# Altium PCB BMS_Slave-X+Y.PcbDoc (part 1 of 3) (continued)
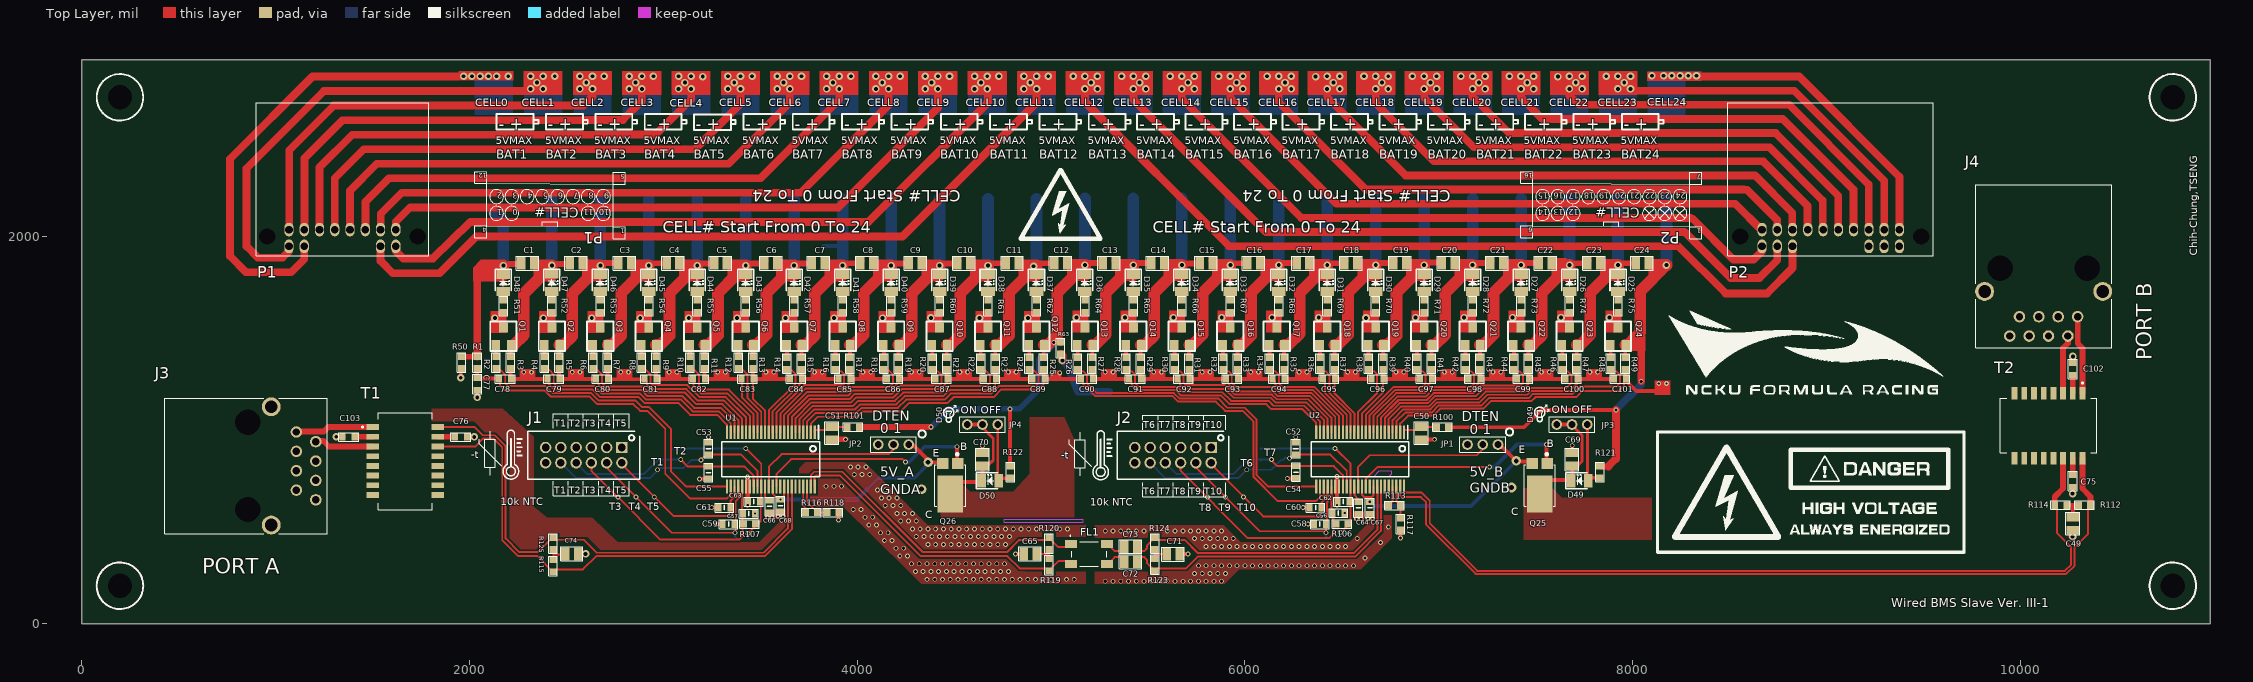
[diagram p0: Top Layer view]
## Components (designator, comment, footprint, x,y, rotation, side; value= is the part's Value field where it differs from the comment) (continued)
J2 "87831-1220" SHDR12W55P200_2X6_1465X630X640P 5826.22,910 r180 top (schematic designator J1)
J3 "5406298-1" 54062981 1107,990 r270 top
J4 "5406298-1" 54062981 10296,1584.92 r180 top
JP1 "2355045-3" 23550453 7306.11,925 r180 top
JP2 "2355045-3" 23550453 4266.11,925 r180 top
JP3 "2355045-3" 23550453 7766.4,1028.66 r180 top
JP4 "2355045-3" 23550453 4725.26,1028.66 r180 top
P1 "Molex 12ckt Connector" 34826-0125 1344.37,1998.66 r180 top
P2 "Molex 16ckt Connector" 34826-0160 9022.28,1998.66 r180 top
Q1 "BSS308PE_H6327" SOT95P260X110-3N 2175,1483.66 r90 top
Q2 "BSS308PE_H6327" SOT95P260X110-3N 2425.24,1483.9 r90 top
Q3 "BSS308PE_H6327" SOT95P260X110-3N 2675,1483.66 r90 top
Q4 "BSS308PE_H6327" SOT95P260X110-3N 2925,1483.66 r90 top
Q5 "BSS308PE_H6327" SOT95P260X110-3N 3175,1483.66 r90 top
Q6 "BSS308PE_H6327" SOT95P260X110-3N 3425,1483.66 r90 top
Q7 "BSS308PE_H6327" SOT95P260X110-3N 3675,1483.66 r90 top
Q8 "BSS308PE_H6327" SOT95P260X110-3N 3925,1483.66 r90 top
Q9 "BSS308PE_H6327" SOT95P260X110-3N 4175,1483.66 r90 top
Q10 "BSS308PE_H6327" SOT95P260X110-3N 4425,1483.66 r90 top
Q11 "BSS308PE_H6327" SOT95P260X110-3N 4675,1483.66 r90 top
Q12 "BSS308PE_H6327" SOT95P260X110-3N 4925,1483.66 r90 top
Q13 "BSS308PE_H6327" SOT95P260X110-3N 5175,1483.66 r90 top
Q14 "BSS308PE_H6327" SOT95P260X110-3N 5425,1483.66 r90 top
Q15 "BSS308PE_H6327" SOT95P260X110-3N 5675,1483.66 r90 top
Q16 "BSS308PE_H6327" SOT95P260X110-3N 5925,1483.66 r90 top
Q17 "BSS308PE_H6327" SOT95P260X110-3N 6165,1483.66 r90 top
Q18 "BSS308PE_H6327" SOT95P260X110-3N 6425,1483.66 r90 top
Q19 "BSS308PE_H6327" SOT95P260X110-3N 6675,1483.66 r90 top
Q20 "BSS308PE_H6327" SOT95P260X110-3N 6925,1483.66 r90 top
Q21 "BSS308PE_H6327" SOT95P260X110-3N 7175,1483.66 r90 top
Q22 "BSS308PE_H6327" SOT95P260X110-3N 7425,1483.66 r90 top
Q23 "BSS308PE_H6327" SOT95P260X110-3N 7675,1483.66 r90 top
Q24 "BSS308PE_H6327" SOT95P260X110-3N 7925,1483.66 r90 top
Q25 "DXT5551P5-13" DXT5551P513 7520.6,713.66 r180 top
Q26 "DXT5551P5-13" DXT5551P513 4479.46,713.66 r180 top
R1 "100R" RESC1608X55N 2040,1348.66 r90 top
R2 "3.3k" RESC1608X55N 2137.6,1348.66 r90 top
R3 "100R" RESC1608X55N 2212.4,1348.66 r90 top
R4 "3.3k" RESC1608X55N 2387.83,1348.9 r90 top
R5 "100R" RESC1608X55N 2462.64,1348.9 r90 top
R6 "3.3k" RESC1608X55N 2637.6,1348.66 r90 top
R7 "100R" RESC1608X55N 2712.4,1348.66 r90 top
R8 "3.3k" RESC1608X55N 2887.6,1348.66 r90 top
R9 "100R" RESC1608X55N 2962.4,1348.66 r90 top
R10 "3.3k" RESC1608X55N 3137.6,1348.66 r90 top
R11 "100R" RESC1608X55N 3212.4,1348.66 r90 top
R12 "3.3k" RESC1608X55N 3387.6,1348.66 r90 top
R13 "100R" RESC1608X55N 3462.4,1348.66 r90 top
R14 "3.3k" RESC1608X55N 3637.6,1343.66 r90 top
R15 "100R" RESC1608X55N 3712.4,1343.66 r90 top
R16 "3.3k" RESC1608X55N 3887.6,1343.66 r90 top
R17 "100R" RESC1608X55N 3962.4,1343.66 r90 top
R18 "3.3k" RESC1608X55N 4137.6,1343.66 r90 top
R19 "100R" RESC1608X55N 4212.4,1343.66 r90 top
R20 "3.3k" RESC1608X55N 4387.6,1343.66 r90 top
R21 "100R" RESC1608X55N 4462.4,1343.66 r90 top
R22 "3.3k" RESC1608X55N 4637.6,1343.66 r90 top
R23 "100R" RESC1608X55N 4712.4,1343.66 r90 top
R24 "3.3k" RESC1608X55N 4887.6,1343.66 r90 top
R25 "100R" RESC1608X55N 4962.4,1343.66 r90 top
R26 "3.3k" RESC1608X55N 5137.6,1343.66 r90 top
R27 "100R" RESC1608X55N 5212.4,1343.66 r90 top
R28 "3.3k" RESC1608X55N 5387.6,1343.66 r90 top
R29 "100R" RESC1608X55N 5462.4,1343.66 r90 top
R30 "3.3k" RESC1608X55N 5637.6,1343.66 r90 top
R31 "100R" RESC1608X55N 5712.4,1343.66 r90 top
R32 "3.3k" RESC1608X55N 5887.6,1343.66 r90 top
R33 "100R" RESC1608X55N 5962.4,1343.66 r90 top
R34 "3.3k" RESC1608X55N 6127.6,1343.66 r90 top
R35 "100R" RESC1608X55N 6202.4,1343.66 r90 top
R36 "3.3k" RESC1608X55N 6387.6,1343.66 r90 top
R37 "100R" RESC1608X55N 6462.4,1343.66 r90 top
R38 "3.3k" RESC1608X55N 6637.6,1343.66 r90 top
R39 "100R" RESC1608X55N 6712.4,1343.66 r90 top
R40 "3.3k" RESC1608X55N 6887.6,1343.66 r90 top
R41 "100R" RESC1608X55N 6962.4,1343.66 r90 top
R42 "3.3k" RESC1608X55N 7137.6,1343.66 r90 top
R43 "100R" RESC1608X55N 7212.4,1343.66 r90 top
R44 "3.3k" RESC1608X55N 7387.6,1343.66 r90 top
R45 "100R" RESC1608X55N 7462.4,1343.66 r90 top
R46 "3.3k" RESC1608X55N 7637.6,1343.66 r90 top
R47 "100R" RESC1608X55N 7712.4,1343.66 r90 top
R48 "3.3k" RESC1608X55N 7887.6,1343.66 r90 top
R49 "100R" RESC1608X55N 7962.4,1343.66 r90 top
R50 "0R" RESC1608X55N 1960,1348.31 r90 top
R51 "475R" RESC1608X55N 2175,1638.66 r270 top
R52 "475R" RESC1608X55N 2425.24,1638.9 r270 top
R53 "475R" RESC1608X55N 2675,1638.66 r270 top
R54 "475R" RESC1608X55N 2925,1638.66 r270 top
R55 "475R" RESC1608X55N 3175,1638.66 r270 top
R56 "475R" RESC1608X55N 3425,1638.66 r270 top
R57 "475R" RESC1608X55N 3675,1638.66 r270 top
R58 "475R" RESC1608X55N 3925,1638.66 r270 top
R59 "475R" RESC1608X55N 4175,1638.66 r270 top
R60 "475R" RESC1608X55N 4425,1638.66 r270 top
R61 "475R" RESC1608X55N 4675,1638.66 r270 top
R62 "475R" RESC1608X55N 4925,1638.66 r270 top
R63 "0R" RESC1608X55N 5050,1423.66 r90 top
R64 "475R" RESC1608X55N 5175,1638.66 r270 top
R65 "475R" RESC1608X55N 5425,1638.66 r270 top
R66 "475R" RESC1608X55N 5675,1638.66 r270 top
R67 "475R" RESC1608X55N 5925,1638.66 r270 top
R68 "475R" RESC1608X55N 6175,1638.66 r270 top
R69 "475R" RESC1608X55N 6425,1638.66 r270 top
R70 "475R" RESC1608X55N 6675,1638.66 r270 top
R71 "475R" RESC1608X55N 6925,1638.66 r270 top
R72 "475R" RESC1608X55N 7175,1638.66 r270 top
R73 "475R" RESC1608X55N 7425,1638.66 r270 top
R74 "475R" RESC1608X55N 7675,1638.66 r270 top
R75 "475R" RESC1608X55N 7925,1638.66 r270 top
R76 "CRCW251233R0FKEG" RESC6332X70N 2175,1648.66 r90 bottom
R77 "CRCW251233R0FKEG" RESC6332X70N 2425.24,1648.9 r90 bottom
R78 "CRCW251233R0FKEG" RESC6332X70N 2675,1648.66 r90 bottom
R79 "CRCW251233R0FKEG" RESC6332X70N 2925,1648.66 r90 bottom
R80 "CRCW251233R0FKEG" RESC6332X70N 3175,1648.66 r90 bottom
R81 "CRCW251233R0FKEG" RESC6332X70N 3425,1648.66 r90 bottom
R82 "CRCW251233R0FKEG" RESC6332X70N 3675,1648.66 r90 bottom
R83 "CRCW251233R0FKEG" RESC6332X70N 3925,1648.66 r90 bottom
R84 "CRCW251233R0FKEG" RESC6332X70N 4175,1648.66 r90 bottom
R85 "CRCW251233R0FKEG" RESC6332X70N 4425,1648.66 r90 bottom
R86 "CRCW251233R0FKEG" RESC6332X70N 4675,1648.66 r90 bottom
R87 "CRCW251233R0FKEG" RESC6332X70N 4925,1648.66 r90 bottom
R88 "CRCW251233R0FKEG" RESC6332X70N 5175,1648.66 r90 bottom
R89 "CRCW251233R0FKEG" RESC6332X70N 5425,1648.66 r90 bottom
R90 "CRCW251233R0FKEG" RESC6332X70N 5675,1648.66 r90 bottom
R91 "CRCW251233R0FKEG" RESC6332X70N 5925,1648.66 r90 bottom
R92 "CRCW251233R0FKEG" RESC6332X70N 6175,1648.66 r90 bottom
R93 "CRCW251233R0FKEG" RESC6332X70N 6425,1648.66 r90 bottom
R94 "CRCW251233R0FKEG" RESC6332X70N 6675,1648.66 r90 bottom
R95 "CRCW251233R0FKEG" RESC6332X70N 6925,1648.66 r90 bottom
R96 "CRCW251233R0FKEG" RESC6332X70N 7175,1648.66 r90 bottom
R97 "CRCW251233R0FKEG" RESC6332X70N 7425,1648.66 r90 bottom
R98 "CRCW251233R0FKEG" RESC6332X70N 7675,1648.66 r90 bottom
R99 "CRCW251233R0FKEG" RESC6332X70N 7925,1648.66 r90 bottom
R100 "100R" RESC1608X55N 7020.08,1014.67 r0 top
R101 "100R" RESC1608X55N 3979.77,1014.67 r0 top
R102 "10k" RESC1608X55N 6195,875 r90 bottom
R103 "10k" RESC1608X55N 3145,874.68 r90 bottom
R104 "10k" RESC1608X55N 6080,875.5 r90 bottom
R105 "10k" RESC1608X55N 3040,875 r90 bottom
R106 "10k" RESC1608X55N 6501,515 r0 top
R107 "10k" RESC1608X55N 3444,515 r0 top
R108 "10k" RESC1608X55N 6450,450.11 r0 bottom
R109 "10k" RESC1608X55N 3410,440 r0 bottom
R110 "10k" RESC1608X55N 6426,530 r0 bottom
R111 "10k" RESC1608X55N 3386,530 r0 bottom
R112 "49.9R" RESC1608X55N 10332,612.92 r0 top
R113 "1k" RESC1608X55N 6772,610 r0 top
R114 "49.9R" RESC1608X55N 10209,612.92 r0 top
R115 "49.9R" RESC1608X55N 2432.01,300 r90 top
R116 "1k" RESC1608X55N 3765,575 r0 top
R117 "1k" RESC1608X55N 6803,515 r270 top
R118 "1k" RESC1608X55N 3875,575 r0 top
R119 "49.9R" RESC1608X55N 4989.48,305 r90 top
R120 "49.9R" RESC1608X55N 4989.48,415 r270 top
R121 "100R" RESC1608X55N 7831.14,783.66 r90 top
R122 "100R" RESC1608X55N 4790,783.66 r90 top
R123 "49.9R" RESC1608X55N 5536,305 r270 top
R124 "49.9R" RESC1608X55N 5536,415 r270 top
R125 "49.9R" RESC1608X55N 2432.01,415 r90 top
T1 "HX1188NLT" HX1188NLT 1669,840 r270 top
T2 "HX1188NLT" HX1188NLT 10146,1022.92 r180 top
U1 "LTC6811-1" SOP50P780X200-48N 3554.41,848.66 r270 top
U2 "LTC6811-1" SOP50P780X200-48N 6594.41,848.66 r270 top

## Footprints (in the part's own frame and the unit in brackets; to place one, negate y for a bottom-side part, rotate by r counter-clockwise, add the part's x,y. Pads: shape width x height; smd on the part's side, far side on the other; paste and mask are expansions set on the pad)
0679L0250-05_FUSE_SMD [mm] "125VDC, Irated=0.25A Fuse"
  rect 6.533x5 smd: 1(-4.75,0) 2(4.75,0)
  silkscreen extent -8.89,-3 8.89,3, body extent -3.05,-1.27 3.05,1.27, height 2.78
34826-0125 [mm] "Molex, MINI50, 12ckt"
  round 0 hole 2.15 mask+0.05: 0(-9.85,0) 0(9.85,0)
  oval 1.2x1.778 hole 1 mask+0.05: 1(-7,1.3) 2(-5,1.3) 3(5,1.3) 4(7,1.3) 5(-7,-0.9) 6(-5,-0.9) 7(-3,-0.9) 8(-1,-0.9) 9(1,-0.9) 10(3,-0.9) 11(5,-0.9) 12(7,-0.9)
  silkscreen extent -11.3,-17.53 11.3,2.54, body extent -11.31,-17.48 11.31,2.02, height 11.75
34826-0160 [mm] "Molex, MINI50, 16ckt"
  round 0 hole 2.15 mask+0.05: 0(-11.85,0) 0(11.85,0)
  oval 1.2x1.778 hole 1 mask+0.05: 1(-9,1.3) 2(-7,1.3) 3(-5,1.3) 4(5,1.3) 5(7,1.3) 6(9,1.3) 7(-9,-0.9) 8(-7,-0.9) 9(-5,-0.9) 10(-3,-0.9) 11(-1,-0.9) 12(1,-0.9) 13(3,-0.9) 14(5,-0.9) 15(7,-0.9) 16(9,-0.9)
  silkscreen extent -13.46,-17.53 13.46,2.54, body extent -13.31,-17.43 13.31,2.07, height 11.69
23550453 [mm]
  round 1.4 hole 0.9: 1(0,0) 2(2,0) 3(4,0)
  silkscreen extent -1,-1 5,1, body extent -1,-1 5,1, height 5.54
54062981 [mm]
  round 1.509 hole 0.97: 1(0,0) 2(1.27,2.54) 3(2.54,0) 4(3.81,2.54) 5(5.08,0) 6(6.35,2.54) 7(7.62,0) 8(8.89,2.54)
  round 2.475 hole 1.65: 9(-3.3,-3.3) 10(12.19,-3.3)
  round 1.665 hole 3.33 unplated: MH1(-1.27,-6.35) MH2(10.16,-6.35)
  silkscreen extent -4.45,-17.27 13.34,4.07, body extent -4.44,-17.07 13.26,4.26, height 14.1
ACT45B1012PTL003 [mil]
  rect 60x40 smd: 1(-92.99,51.5) 2(-92.99,-51.5) 3(92.99,-51.5) 4(92.99,51.5)
  silkscreen extent -98,-63 89,96, body extent -113,-63 113,63, height 122
CAPC1608X85N [mil]
  rect 32x39 smd: 1(-31.5,0) 2(31.5,0)
  silkscreen extent -51,-22 51,22, body extent -34,-17 34,20, height 33
CAPC1608X90N [mil]
  rect 30x40 smd: 1(-30.5,0) 2(30.5,0)
  silkscreen extent -48,-23 48,23, body extent -31,-16 31,16, height 35
CAPC2012X88N [mil]
  rect 44x66 smd: 1(-33.42,0) 2(33.42,0)
  silkscreen extent -58,-36 58,36, body extent -39,-25 39,25, height 35
DXT5551P513 [mm]
  rect 1.524x1.4 smd: 1(-0.987,-2.89) 2(0.987,-2.89)
  rect 3.36x4.86 smd: 3(0,1.092)
  silkscreen extent -2.02,-4.25 2.02,2.73, body extent -1.98,-3.25 1.98,3.25, height 1.15
HX1188NLT [mm]
  rect 0.76x1.65 smd: 1(-4.445,-4.255) 2(-3.175,-4.255) 3(-1.905,-4.255) 4(-0.635,-4.255) 5(0.635,-4.255) 6(1.905,-4.255) 7(3.175,-4.255) 8(4.445,-4.255) 9(4.445,4.255) 10(3.175,4.255) 11(1.905,4.255) 12(0.635,4.255) 13(-0.635,4.255) 14(-1.905,4.255) 15(-3.175,4.255) 16(-4.445,4.255)
  silkscreen extent -6.35,-5.7 6.35,3.55, body extent -6.35,-5 6.35,5, height 6.17
LEDC2012X80N [mil]
  rect 45x70 smd: 1(-44.15,0) 2(44.15,0)
  silkscreen extent -71,-41 39,41, body extent -39,-25 39,25, height 31
RESC1608X55N [mil]
  rect 35x38 smd: 1(-31,0) 2(31,0)
  silkscreen extent -51,-22 50,22, body extent -31,-16 32,16, height 22
RESC6332X70N [mil]
  rect 80x135 smd: 1(-133.5,0) 2(133.5,0)
  silkscreen extent -180,-75 180,75, body extent -124,-62 124,62, height 28
SHDR12W55P200_2X6_1465X630X640P [mm]
  rect 1.5x1.5 hole 1: 1(0,0)
  round 1.5 hole 1: 2(0,2) 3(2,0) 4(2,2) 5(4,0) 6(4,2) 7(6,0) 8(6,2) 9(8,0) 10(8,2) 11(10,0) 12(10,2)
  silkscreen extent -2.32,-2.15 12.32,4.15, body extent -2.29,-2.16 12.36,4.14, height 6.4
SODFL1006X40N [mil]
  rect 97x118.11 smd: 1(-66.15,0) 2(66.15,0)
  silkscreen extent -120,-60 120,60, body extent -20,-12 20,12, height 16
SOP50P780X200-48N [mm]
  rect 1.8x0.3 smd: 1(-3.55,5.75) 2(-3.55,5.25) 3(-3.55,4.75) 4(-3.55,4.25) 5(-3.55,3.75) 6(-3.55,3.25) 7(-3.55,2.75) 8(-3.55,2.25) 9(-3.55,1.75) 10(-3.55,1.25) 11(-3.55,0.75) 12(-3.55,0.25) 13(-3.55,-0.25) 14(-3.55,-0.75) 15(-3.55,-1.25) 16(-3.55,-1.75) 17(-3.55,-2.25) 18(-3.55,-2.75) 19(-3.55,-3.25) 20(-3.55,-3.75) 21(-3.55,-4.25) 22(-3.55,-4.75) 23(-3.55,-5.25) 24(-3.55,-5.75) 25(3.55,-5.75) 26(3.55,-5.25) 27(3.55,-4.75) 28(3.55,-4.25) 29(3.55,-3.75) 30(3.55,-3.25) 31(3.55,-2.75) 32(3.55,-2.25) 33(3.55,-1.75) 34(3.55,-1.25) 35(3.55,-0.75) 36(3.55,-0.25) 37(3.55,0.25) 38(3.55,0.75) 39(3.55,1.25) 40(3.55,1.75) 41(3.55,2.25) 42(3.55,2.75) 43(3.55,3.25) 44(3.55,3.75) 45(3.55,4.25) 46(3.55,4.75) 47(3.55,5.25) 48(3.55,5.75)
  silkscreen extent -4.45,-6.4 2.3,6.4, body extent -3.9,-6.4 3.9,6.4, height 2
SOT95P260X110-3N [mil]
  rect 50x45 smd: 1(-45.28,39.9) 2(-45.28,-39.9) 3(45.28,0)
  silkscreen extent -76,-68 76,68, body extent -51,-57 51,57, height 43

## Part data
C1 C2 C3 C4 C5 C6 C7 C8 C9 C10 C11 C12 C13 C14 C15 C16 C17 C18 C19 C20 C21 C22 C23 C24: library part C0805C103K2RACTU, Manufacturer_Name=Kemet, Mouser Part Number=80-C0805C103K2R, Arrow Part Number=C0805C103K2RACTU, Arrow Price/Stock=https://www.arrow.com/en/products/c0805c103k2ractu/kemet-corporation, Datasheet Link=http://docs-emea.rs-online.com/webdocs/1515/0900766b8151517e.pdf, Height=0.88mm, Manufacturer_Part_Number=C0805C103K2RACTU, Mouser Price/Stock=https://www.mouser.com/Search/Refine.aspx?Keyword=80-C0805C103K2R
C25 C26 C27 C28 C29 C30 C31 C32 C33 C34 C35 C36 C37 C38 C39 C40 C41 C42 C43 C44 C45 C46 C47 C48 C49 C50 C51 C65 C69 C70 C71 C72 C73 C74: library part C0805C103K2RACTU, "Capacitor", Manufacturer_Name=Kemet, Mouser Part Number=80-C0805C103K2R, Arrow Part Number=C0805C103K2RACTU, Arrow Price/Stock=https://www.arrow.com/en/products/c0805c103k2ractu/kemet-corporation, Datasheet Link=http://docs-emea.rs-online.com/webdocs/1515/0900766b8151517e.pdf, Height=0.88mm, Manufacturer_Part_Number=C0805C103K2RACTU, Mouser Price/Stock=https://www.mouser.com/Search/Refine.aspx?Keyword=80-C0805C103K2R
C52 C53 C54 C55 C56 C57 C58 C59 C60 C61 C62 C63 C64 C66 C67 C68: "0603 25V 1uF X7R 10% AEC-Q200", Arrow Part Number=CGA3E1X7R1C105K080AC, Manufacturer_Name=TDK, Mouser Part Number=810-CGA3E1X7R1C105AC, Arrow Price/Stock=https://www.arrow.com/en/products/cga3e1x7r1c105k080ac/tdk, ComponentLink1Description=Mouser, ComponentLink1URL=https://www.mouser.tw/ProductDetail/TDK/CGA3E1X7R1E105K080AC?qs=NRhsANhppD9VxGl2AsmRpw%3D%3D, Datasheet Link=http://docs-emea.rs-online.com/webdocs/14e9/0900766b814e9125.pdf, Height=0.9mm, Manufacturer_Part_Number=CGA3E1X7R1C105K080AC, Mouser Price/Stock=https://www.mouser.co.uk/ProductDetail/TDK/CGA3E1X7R1C105K080AC?qs=XHchNesRtUbBVNsGg9%252BP9g%3D%3D
C75 C77 C78 C79 C80 C81 C82 C83 C84 C85 C86 C87 C88 C89 C90 C91 C92 C93 C94 C95 C96 C97 C98 C99 C100 C101 C102 C103: library part C0603C103K2RECTU, "200V, 0.01uF, 0603, X7R, 10%, Capacitor", Manufacturer_Name=Kemet, Manufacturer_Part_Number=C0805X103M2RACAUTO, Mouser Part Number=80-C0805X103M2RAUTO, ComponentLink1Description=Mouser, ComponentLink1URL=https://www.mouser.tw/ProductDetail/KEMET/C0603C103K2RECTU?qs=Mv7BduZupUj%2FMy3Zlcu2KQ%3D%3D, Datasheet Link=https://eu.mouser.com/datasheet/2/212/1/KEM_C1078_X7R_FT-CAP_AUTO_SMD-1103315.pdf, Height=0.98mm, Mouser Price/Stock=https://www.mouser.co.uk/ProductDetail/KEMET/C0805X103M2RACAUTO?qs=W%2FMpXkg%252BdQ50YX0BoZGkVA%3D%3D
C76: library part C0603C103K2RECTU_1, "200V, 0.01uF, 0603, X7R, 10%, Capacitor", Manufacturer_Name=Kemet, Manufacturer_Part_Number=C0805X103M2RACAUTO, Mouser Part Number=80-C0805X103M2RAUTO, ComponentLink1Description=Mouser, ComponentLink1URL=https://www.mouser.tw/ProductDetail/KEMET/C0603C103K2RECTU?qs=Mv7BduZupUj%2FMy3Zlcu2KQ%3D%3D, Datasheet Link=https://eu.mouser.com/datasheet/2/212/1/KEM_C1078_X7R_FT-CAP_AUTO_SMD-1103315.pdf, Height=0.98mm, Mouser Price/Stock=https://www.mouser.co.uk/ProductDetail/KEMET/C0805X103M2RACAUTO?qs=W%2FMpXkg%252BdQ50YX0BoZGkVA%3D%3D
D1 D2 D3 D4 D5 D6 D7 D8 D9 D10 D11 D12 D13 D14 D15 D16 D17 D18 D19 D20 D21 D22 D23 D24: "TVS Diode (Uni-directional)", Manufacturer_Name="ON Semiconductor", Mouser Part Number=863-SZESD9101P2T5G, Arrow Part Number=SZESD9101P2T5G, Arrow Price/Stock=https://www.arrow.com/en/products/szesd9101p2t5g/on-semiconductor, Datasheet Link=http://www.onsemi.com/pub/Collateral/ESD9101-D.PDF, Height=0.4mm, Manufacturer_Part_Number=SZESD9101P2T5G, Mouser Price/Stock=https://www.mouser.co.uk/ProductDetail/ON-Semiconductor/SZESD9101P2T5G?qs=5aG0NVq1C4yTUV3vL3eSQg%3D%3D
D25 D26 D27 D28 D29 D30 D31 D32 D33 D34 D35 D36 D37 D38 D39 D40 D41 D42 D43 D44 D45 D46 D47 D48 D49 D50: "LED", Manufacturer_Name="ROHM Semiconductor", Mouser Part Number=755-SML-210VTT86, RS Part Number=7007893P, Allied_Number=70522026, Allied Price/Stock=https://www.alliedelec.com/rohm-semiconductor-sml-210vtt86/70522026/, Datasheet Link=https://componentsearchengine.com/Datasheets/1/SML-210VTT86.pdf, Height=0.8mm, Manufacturer_Part_Number=SML-210VTT86, Mouser Price/Stock=https://www.mouser.com/Search/Refine.aspx?Keyword=755-SML-210VTT86, RS Price/Stock=http://uk.rs-online.com/web/p/products/7007893P
F1 F2 F3 F4 F5 F6 F7 F8 F9 F10 F11 F12 F13 F14 F15 F16 F17 F18 F19 F20 F21 F22 F23 F24 F25: "Fuse", Manufacturer_Name=LITTELFUSE, Mouser Part Number=576-0885001.DR, Arrow Part Number=0885001.DR, Arrow Price/Stock=https://www.arrow.com/en/products/0885001.dr/littelfuse, ComponentLink1Description=Mouser, ComponentLink1URL=https://www.mouser.tw/ProductDetail/Littelfuse/0885001DR?qs=%2Fha2pyFaduiwU43SpjNCEUlIPJiIEFAqTblCrVFP8sIyn2w6Lh2S1g%3D%3D, ComponentLink2Description=Datasheet, ComponentLink2URL=https://www.mouser.tw/datasheet/2/240/Littelfuse_Fuse_885_Datasheet_pdf-1371443.pdf, Datasheet Link=https://m.littelfuse.com/~/media/electronics/datasheets/fuses/littelfuse_fuse_885_datasheet.pdf.pdf, Height=4.88mm, Manufacturer_Part_Number=0885001.DR, Mouser Price/Stock=https://www.mouser.co.uk/ProductDetail/Littelfuse/0885001DR/?qs=r5DSvlrkXmKVcuud9wy%2Flg%3D%3D
FL1: "Filter", Manufacturer_Name=TDK, Mouser Part Number=810-ACT45B1012PTL003, Arrow Part Number=ACT45B-101-2P-TL003, Arrow Price/Stock=https://www.arrow.com/en/products/act45b-101-2p-tl003/tdk, Datasheet Link=https://componentsearchengine.com/Datasheets/2/ACT45B-101-2P-TL003.pdf, Height=3mm, Manufacturer_Part_Number=ACT45B-101-2P-TL003, Mouser Price/Stock=https://www.mouser.co.uk/ProductDetail/TDK/ACT45B-101-2P-TL003?qs=SKgu1TwNDxoLFWvwfqJuJA%3D%3D
J1 J2: "Connector", Manufacturer_Name=Molex, Mouser Part Number=538-87831-1220, ComponentLink1Description=Mouser, ComponentLink1URL=https://www.mouser.tw/ProductDetail/Molex/87831-1220?qs=ZD3%252BwFPSULxSWc7O5pIOcA%3D%3D, Datasheet Link=http://docs-emea.rs-online.com/webdocs/150d/0900766b8150deae.pdf, Height=6.4mm, Manufacturer_Part_Number=87831-1220, Mouser Price/Stock=https://www.mouser.co.uk/ProductDetail/Molex/87831-1220?qs=ZD3%252BwFPSULxSWc7O5pIOcA%3D%3D
J3 J4: "Connector", Manufacturer_Name="TE Connectivity", Mouser Part Number=571-5406298-1, Arrow Part Number=5406298-1, Arrow Price/Stock=https://www.arrow.com/en/products/5406298-1/te-connectivity, Datasheet Link=https://www.te.com/commerce/DocumentDelivery/DDEController?Action=showdoc&DocId=Customer+Drawing%7F5406298%7FD%7Fpdf%7FEnglish%7FENG_CD_5406298_D.pdf%7F5406298-1, Height=14.48mm, Manufacturer_Part_Number=5406298-1, Mouser Price/Stock=https://www.mouser.co.uk/ProductDetail/TE-Connectivity/5406298-1?qs=l9GpKJB5FDKzdZ%252B2Xub1%2Fg%3D%3D
JP1 JP2 JP3 JP4: "2mm, 3POS Jumper Socket", Manufacturer_Name="TE Connectivity", Mouser Part Number=571-2355045-3, Datasheet Link=https://www.te.com/commerce/DocumentDelivery/DDEController?Action=showdoc&DocId=Customer+Drawing%7F2355045%7FA%7Fpdf%7FEnglish%7FENG_CD_2355045_A.pdf%7F2355045-6, Height=5.5mm, Manufacturer_Part_Number=2355045-3, Mouser Price/Stock=https://www.mouser.co.uk/ProductDetail/TE-Connectivity/2355045-3/?qs=Cb2nCFKsA8pFN07a8M%2F2vA%3D%3D
P1: library part 34826-0125, "Molex Mini50, 12ckt"
P2: library part 34826-0160, "Molex Mini50, 16ckt"
Q1 Q2 Q3 Q4 Q5 Q6 Q7 Q8 Q9 Q10 Q11 Q12 Q13 Q14 Q15 Q16 Q17 Q18 Q19 Q20 Q21 Q22 Q23 Q24: "MOSFET (P-Channel)", Manufacturer_Name=Infineon, Manufacturer_Part_Number="BSS308PE H6327", Mouser Part Number=726-BSS308PEH6327, Datasheet Link="https://componentsearchengine.com/Datasheets/1/BSS308PE H6327.pdf", Height=1.1mm, Mouser Price/Stock=https://www.mouser.co.uk/ProductDetail/Infineon-Technologies/BSS308PE-H6327/?qs=oPPfIaWL1l0trIaeR9VW8A%3D%3D
Q25 Q26: "Transistor BJT NPN", Manufacturer_Name="Diodes Inc.", Mouser Part Number=522-DXT5551P5-13, Arrow Part Number=DXT5551P5-13, Arrow Price/Stock=https://www.arrow.com/en/products/dxt5551p5-13/diodes-incorporated, Datasheet Link=https://www.diodes.com/assets/Datasheets/DXT5551P5.pdf, Manufacturer_Part_Number=DXT5551P5-13, Mouser Price/Stock=https://www.mouser.co.uk/ProductDetail/Diodes-Incorporated/DXT5551P5-13?qs=pmB%252BthhaMeURGx362MbdPw%3D%3D
R1 R2 R3 R4 R5 R6 R7 R8 R9 R10 R11 R12 R13 R14 R15 R16 R17 R18 R19 R20 R21 R22 R23 R24 R25 R26 R27 R28 R29 R30 R31 R32 R33 R34 R35 R36 R37 R38 R39 R40 R41 R42 R43 R44 R45 R46 R47 R48 R49 R50 R51 R52 R53 R54 R55 R56 R57 R58 R59 R60 R61 R62 R63 R64 R65 R66 R67 R68 R69 R70 R71 R72 R73 R74 R75 R100 R101 R102 R103 R104 R105 R106 R107 R108 R109 R110 R111 R112 R113 R114 R115 R116 R117 R118 R119 R120 R121 R122 R123 R124 R125: library part CRCW060310K0FKEAC, "Res Thick Film 0603 1/8W ±100ppm/°C Molded SMD Paper T/R", Case/Package=0805, Manufacturer=Vishay, Manufacturer Part Number=CRCW080510K0FKEAC, Power Rating=125mW, Resistance=10000R, Tolerance=1%, ComponentLink1Description=http://www.vishay.com/docs/28773/crcwce3.pdf?src-supplier=Digi-Key, ComponentLink1URL=http://www.vishay.com/docs/28773/crcwce3.pdf?src-supplier=Digi-Key, ComponentLink2Description=http://datasheet.octopart.com/CRCW080510K0FKEAC-Vishay-datasheet-100063072.pdf?src-supplier=Future+Electronics, ComponentLink2URL=http://datasheet.octopart.com/CRCW080510K0FKEAC-Vishay-datasheet-100063072.pdf?src-supplier=Future+Electronics, Lead Free="Lead Free"
R76 R77 R78 R79 R80 R81 R82 R83 R84 R85 R86 R87 R88 R89 R90 R91 R92 R93 R94 R95 R96 R97 R98 R99: "33Ohm, 1%, 1W, Resistor", Manufacturer_Name=Vishay, Arrow Part Number=CRCW251233R0FKEG, Arrow Price/Stock=https://www.arrow.com/en/products/crcw251233r0fkeg/vishay, Datasheet Link=http://www.vishay.com/docs/20035/dcrcwe3.pdf, Height=0.7mm, Manufacturer_Part_Number=CRCW251233R0FKEG
T1 T2: "Transformer", Manufacturer_Name=Pulse, Mouser Part Number=673-HX1188NLT, Arrow Part Number=HX1188NLT, Arrow Price/Stock=https://www.arrow.com/en/products/hx1188nlt/pulse-electronics-corporation, Datasheet Link=https://productfinder.pulseeng.com/doc_type/WEB301/doc_num/HX1188NL-01/doc_part/HX1188NL.pdf, Height=6.07mm, Manufacturer_Part_Number=HX1188NLT, Mouser Price/Stock=https://www.mouser.co.uk/ProductDetail/Pulse-Electronics/HX1188NLT?qs=7h3O1UVlCGOyAkRk4EAe8A%3D%3D
U1 U2: "Integrated Circuit", Manufacturer_Name="Linear Technology", Supplier Part Number 1=LTC6811IG-1#PBF, Datasheet Link=http://cds.linear.com/docs/en/datasheet/68111fb.pdf, Height=2mm, Manufacturer_Part_Number=LTC6811-1, Supplier 1=Mouser

## Free pads (board coordinates)
  round 0 hole 125.98 mask+1.97: 0(196.85,196.85) 0(196.85,2716.54) 0(10787.4,196.85) 0(10787.4,2716.54)

## Via types
v1: diameter 25, hole 16, Top Layer to Bottom Layer, tented both sides, 246 vias
v2: diameter 39, hole 20, Top Layer to Bottom Layer, tented both sides, 183 vias
v3: diameter 25, hole 12, Top Layer to Bottom Layer, tented both sides, 62 vias
v4: diameter 39, hole 20, Top Layer to Bottom Layer, tented bottom, 25 vias
v5: diameter 25, hole 16, Top Layer to Bottom Layer, tented bottom, 12 vias
v6: diameter 50, hole 25, Top Layer to Bottom Layer, tented bottom, 4 vias

## Nets (pads, with @x,y where several pads share a name; then routed paths per layer and width w, separated by ;. In a path a pad name is that pad's centre, name@x,y a point inside that pad or via, vN(x,y) a via of type N, cw(c..) or ccw(c..) an arc to the next point about the centre after c; other vN are vias at no path point)
5V: C68.1 JP2.1 Q26.2 U1.37 U1.40 | length 1245.1
  Top Layer w10: U1.37@3564.25,708.9 3565.16,707.99 3565.16,670.78 3588.81,647.13 3598.7,647.13 v3(3604.33,641.5) ; C68.1@3604.33,640.5 3609.33,640.5 3619.33,650.5 3619.33,655.5 3623.31,659.48 U1.40@3623.31,708.9
  Top Layer w20: JP2.1@4266.11,925 4286,925 4374,837 v6@4371,834 ; v6(4366.15,834) v6@4371,834 ; Q26.2@4443.24,827.44 4436.68,834 v6@4371,834
  Bottom Layer w20: v3(3604.33,641.5) 3998.92,641.5 4111.43,754 4296.74,754 4366.15,823.41 v6(4366.15,834)
C0: C77.1 C78.2 R1.1 U1.26 | length 1822.9
  Top Layer w10: C78.2@2156.4,1265.66 2156.4,1232.26 2185,1203.66 2389.52,1203.66 2420.54,1172.64 2619.63,1172.64 2658.61,1133.66 2845,1133.66 2880,1098.66 2917.34,1098.66 3010,1006 3010,775 3138.98,646.02 3327.36,646.02 3347.72,666.38 U1.26@3347.72,708.9
  Top Layer w20: C77.1@2040,1265.66 C78.2@2156.4,1265.66 ; C77.1@2040,1266.48 C77.1@2040,1269.98 R1.1@2040,1317.66 R1.1@2040,1319.16
C1: C25.1 C78.1 C79.2 R3.1 U1.24 | length 1323.3
  Top Layer w10: C79.2@2408,1263.66 2408,1237.86 2437.68,1208.18 2635,1208.18 2673.52,1169.66 2872.54,1169.66 2902.54,1139.66 3077,1139.66 3138,1078.66 3277.12,1078.66 3328.03,1027.74 U1.24@3328.03,988.43
  Top Layer w20: R3.1@2212.4,1319.16 2212.4,1263.66 C79.2@2408,1263.66
  other v3: 2280,1298.66 2320,1298.66
C2: C26.1 C79.1 C80.2 R5.1 U1.22 | length 1118.2
  Top Layer w10: C80.2@2656.4,1263.66 2664.4,1255.66 2664.4,1236.32 2695.06,1205.66 2887.54,1205.66 2917.54,1175.66 3098,1175.66 3159,1114.66 3296.89,1114.66 3367.4,1044.15 U1.22@3367.4,988.43
  Top Layer w20: R5.1@2462.64,1319.4 2462.64,1263.98 C80.2@2656.4,1263.98
  other v3: 2530,1298.66 2570,1298.66
C3: C27.1 C80.1 C81.2 R7.1 U1.20 | length 915.6
  Top Layer w10: C81.2@2906.4,1262.98 2914.4,1255.66 2914.4,1236.32 2939.06,1211.66 3118.46,1211.66 3178.46,1151.66 3313.34,1151.66 3406.77,1058.23 U1.20@3406.77,988.43
  Top Layer w20: R7.1@2712.4,1319.16 2712.4,1263.66 C81.2@2906.39,1262.16
  other v3: 2780,1298.66 2820,1298.66
C4: C28.1 C81.1 C82.2 R9.1 U1.18 | length 725.4
  Top Layer w10: C82.2@3156.4,1263.66 3156.4,1225.86 3194.6,1187.66 3332.34,1187.66 3446.14,1073.86 U1.18@3446.14,988.43
  Top Layer w20: R9.1@2962.4,1319.16 2962.4,1263.66 C82.2@3156.4,1263.66
  other v3: 3030,1298.66 3070,1298.66
C5: C29.1 C82.1 C83.2 R11.1 U1.16 | length 557.5
  Top Layer w10: C83.2@3406.4,1263.66 3406.4,1167.76 3485.51,1088.65 U1.16@3485.51,988.43
  Top Layer w20: R11.1@3212.4,1319.16 3212.4,1263.66 C83.2@3406.4,1263.66
  other v3: 3280,1298.66 3320,1298.66
C6: C30.1 C83.1 C84.2 R13.1 U1.14 | length 550.6
  Top Layer w10: C83.1@3462.4,1263.66 3462.4,1162.6 3524.88,1100.12 U1.14@3524.88,988.43
  Top Layer w20: R13.1@3462.4,1319.16 3462.4,1263.66 C84.2@3656.4,1263.66
  other v3: 3530,1298.66 3570,1298.66
C7: C31.1 C84.1 C85.2 R15.1 U1.12 | length 581.1
  Top Layer w10: U1.12@3564.25,988.43 3564.25,1096.17 3700.4,1232.32 3700.4,1232.44 3711.04,1243.07 3711.04,1262.3 C84.1@3712.4,1263.66
  Top Layer w20: R15.1@3712.4,1314.16 3712.4,1263.66 C85.2@3906.4,1263.66
  other v3: 3780,1298.66 3820,1298.66
C8: C32.1 C85.1 C86.2 R17.1 U1.10 | length 786.9
  Top Layer w10: U1.10@3603.62,988.43 3603.62,1084.63 3733.15,1214.16 3935.5,1214.16 3961.5,1240.16 3961.5,1262.76 C85.1@3962.4,1263.66
  Top Layer w20: R17.1@3962.4,1314.16 3962.4,1263.66 C86.2@4156.4,1263.66
  other v3: 4030,1298.66 4070,1298.66
C9: C33.1 C86.1 C87.2 R19.1 U1.8 | length 988.8
  Top Layer w10: U1.8@3642.99,988.43 3642.99,1073.09 3748.07,1178.16 3953.55,1178.16 3979.77,1204.38 4172.46,1204.38 4212.4,1244.32 C86.1@4212.4,1263.66
  Top Layer w20: R19.1@4212.4,1314.16 4212.4,1263.66 C87.2@4406.4,1263.66
  other v3: 4280,1298.66 4320,1298.66
C10: C34.1 C87.1 C88.2 R21.1 U1.6 | length 1192.7
  Top Layer w10: U1.6@3682.36,988.43 3682.36,1061.55 3762.98,1142.16 3968.46,1142.16 3994.68,1168.38 4187.37,1168.38 4229.65,1210.66 4428.74,1210.66 4462.4,1244.32 C87.1@4462.4,1263.66
  Top Layer w20: R21.1@4462.4,1314.16 4462.4,1263.66 4464.9,1263.66 4653.9,1263.66 C88.2@4656.4,1263.66
  other v3: 4530,1298.66 4570,1298.66
C11: C35.1 C88.1 C89.2 R23.1 U1.4 | length 1403.7
  Top Layer w10: U1.4@3721.73,988.43 3721.73,1050.01 3777.89,1106.16 3988.79,1106.16 4015,1132.38 4202.28,1132.38 4244.57,1174.66 4443.65,1174.66 4474.65,1205.66 4685.91,1205.66 4712.4,1232.16 C88.1@4712.4,1263.66
  Top Layer w20: R23.1@4712.4,1314.16 4712.4,1263.66 4714.9,1263.66 4903.9,1263.66 C89.2@4906.4,1263.66
  other v3: 4780,1298.66 4820,1298.66
C12: C36.1 C89.1 C90.2 R25.1 U1.2 U2.26 | length 3351
  Top Layer w10: U1.2@3761.1,988.43 3761.1,1033.66 3796.1,1068.66 4002.29,1068.66 4030,1096.38 4223.71,1096.38 4266,1138.66 4465.91,1138.66 4496.91,1169.66 4703.66,1169.66 4743.38,1209.38 4935.71,1209.38 4962.4,1236.06 C89.1@4962.4,1263.66 ; C90.2@5156.4,1263.66 5164.4,1255.66 5164.4,1239.15 5228.55,1175 5627.41,1175 5655.41,1147 5850,1147 5898,1099 5990,1099 6045,1044 6045,757.76 6167.76,635 6368.4,635 6387.72,654.32 U2.26@6387.72,708.9
  Top Layer w20: R25.1@4962.4,1314.16 4962.4,1263.66 4964.9,1263.66 5153.9,1263.66 C90.2@5156.4,1263.66
  Bottom Layer w20: C36.1@5020,1275 5020,1265.16 C36.1@5025,1260.16
  other v3: 5005,1295 5045,1295
C13: C37.1 C90.1 C91.2 R27.1 U2.24 | length 1364.2
  Top Layer w10: C91.2@5406.4,1263.66 5414.4,1255.66 5414.4,1239.15 5446.55,1207 5640.66,1207 5668.66,1179 5876,1179 5921,1134 6111,1134 6137.38,1107.62 6297.38,1107.62 6368.03,1036.97 U2.24@6368.03,988.43
  Top Layer w20: R27.1@5212.4,1314.16 5212.4,1263.66 5295,1263.66 ; 5299.23,1267.9 5295,1263.66 ; C91.2@5406.4,1263.66 5295,1263.66
  other v3: 5280,1298.66 5320,1298.66
C14: C38.1 C91.1 C92.2 R29.1 U2.22 | length 1158.2
  Top Layer w10: C92.2@5656.4,1263.66 5664.4,1255.66 5664.4,1236.78 5690.18,1211 5897.3,1211 5941.75,1166.55 6133.19,1166.55 6156.75,1143 6317,1143 6407.4,1052.6 U2.22@6407.4,988.43
  Top Layer w20: R29.1@5462.4,1314.16 5462.4,1263.66 5545,1263.66 C92.2@5656.4,1263.66
  other v3: 5530,1298.66 5570,1298.66
C15: C39.1 C92.1 C93.2 R31.1 U2.20 | length 959.2
  Top Layer w10: C93.2@5906.4,1263.66 5914.4,1255.66 5914.4,1239.15 5955,1198.55 6146.45,1198.55 6170,1175 6336.4,1175 6446.77,1064.63 U2.20@6446.77,988.43
  Top Layer w20: R31.1@5712.4,1314.16 5712.4,1263.66 5795,1263.66 ; 5799.23,1267.9 5795,1263.66 ; C93.2@5906.4,1263.66 5795,1263.66
  other v3: 5780,1298.66 5820,1298.66
C16: C40.1 C93.1 C94.2 R33.1 U2.18 | length 746.6
  Top Layer w10: C94.2@6146.4,1263.66 6154.4,1255.66 6154.4,1239.15 6186.55,1207 6350.65,1207 6486.14,1071.51 U2.18@6486.14,988.43
  Top Layer w20: R33.1@5962.4,1314.16 5962.4,1263.66 6050,1263.66 C94.2@6146.4,1263.66
  other v3: 6030,1298.66 6070,1298.66
C17: C41.1 C94.1 C95.2 R35.1 U2.16 | length 579.1
  Top Layer w10: C95.2@6406.4,1263.66 6414.4,1255.66 6414.4,1190.53 6525.51,1079.42 U2.16@6525.51,988.43
  Top Layer w20: R35.1@6202.4,1314.16 6202.4,1263.66 6300,1263.66 C95.2@6406.4,1263.66
  other v3: 6280,1298.66 6320,1298.66
C18: C42.1 C95.1 C96.2 R37.1 U2.14 | length 568.2
  Top Layer w10: C95.1@6462.4,1263.66 6462.4,1188.74 6564.88,1086.26 U2.14@6564.88,988.43
  Top Layer w20: R37.1@6462.4,1314.16 6462.4,1263.66 6545,1263.66 ; 6549.23,1267.9 6545,1263.66 ; C96.2@6656.4,1263.66 6545,1263.66
  other v3: 6530,1298.66 6570,1298.66
C19: C43.1 C96.1 C97.2 R39.1 U2.12 | length 564.5
  Top Layer w10: U2.12@6604.25,988.43 6604.25,1084.25 6712.4,1192.4 C96.1@6712.4,1263.66
  Top Layer w20: R39.1@6712.4,1314.16 6712.4,1263.66 6800,1263.66 C97.2@6906.4,1263.66
  other v3: 6780,1298.66 6820,1298.66
C20: C44.1 C97.1 C98.2 R41.1 U2.10 | length 739.9
  Top Layer w10: U2.10@6643.62,988.43 6643.62,1076 6773.73,1206.1 6921.35,1206.1 6948.4,1233.15 6948.4,1235.89 6951.23,1238.72 6953.97,1238.72 6954.4,1239.15 6954.4,1255.66 C97.1@6962.4,1263.66
  Top Layer w20: R41.1@6962.4,1314.16 6962.4,1263.66 7050,1263.66 C98.2@7156.4,1263.66
  other v3: 7030,1298.66 7070,1298.66
C21: C45.1 C98.1 C99.2 R43.1 U2.8 | length 944.2
  Top Layer w10: U2.8@6682.99,988.43 6682.99,1067.99 6789.1,1174.1 6934.61,1174.1 6967.22,1206.72 7171.97,1206.72 7204.4,1239.15 7204.4,1255.66 C98.1@7212.4,1263.66
  Top Layer w20: R43.1@7212.4,1314.16 7212.4,1263.66 7300,1263.66 C99.2@7406.4,1263.66
  other v3: 7280,1298.66 7320,1298.66
C22: C46.1 C99.1 C100.2 R45.1 U2.6 | length 1156.4
  Top Layer w10: U2.6@6722.36,988.43 6722.36,1062.11 6798.71,1138.45 6944.21,1138.45 6980.48,1174.72 7192.12,1174.72 7231.4,1214 7437.91,1214 7462.4,1238.5 C99.1@7462.4,1263.66
  Top Layer w20: R45.1@7462.4,1314.16 7462.4,1263.66 C99.1@7465.9,1263.66 C100.2@7652.9,1263.66 C100.2@7656.4,1263.66
  other v3: 7530,1298.66 7570,1298.66
C23: C47.1 C100.1 C101.2 R47.1 U2.4 | length 1361.3
  Top Layer w10: U2.4@6761.73,988.43 6761.73,1051.34 6816.85,1106.45 6957.47,1106.45 6993.73,1142.72 7211.38,1142.72 7250.67,1182 7457.12,1182 7477.12,1202 7676.88,1202 7712.4,1237.52 C100.1@7712.4,1263.66
  Top Layer w20: R47.1@7712.4,1314.16 7712.4,1263.66 C100.1@7715.9,1263.66 C101.2@7902.9,1263.66 C101.2@7906.4,1263.66
  other v3: 7780,1298.66 7820,1298.66